# Altium PCB openmv-stm32n.PcbDoc (part 3 of 5)
Units mil, origin at the board's own origin, x right, y up, seen from the top; angles counter-clockwise.
Board outline 1400 x 1750 mil, 10 copper layers (Top Layer, L2, L3H, L5Z, L4, L6G, L7P, L8V, L9, Bottom Layer), stack 46.102 mil thick; 354 components, 264 nets, 1311 pads, 599 vias.
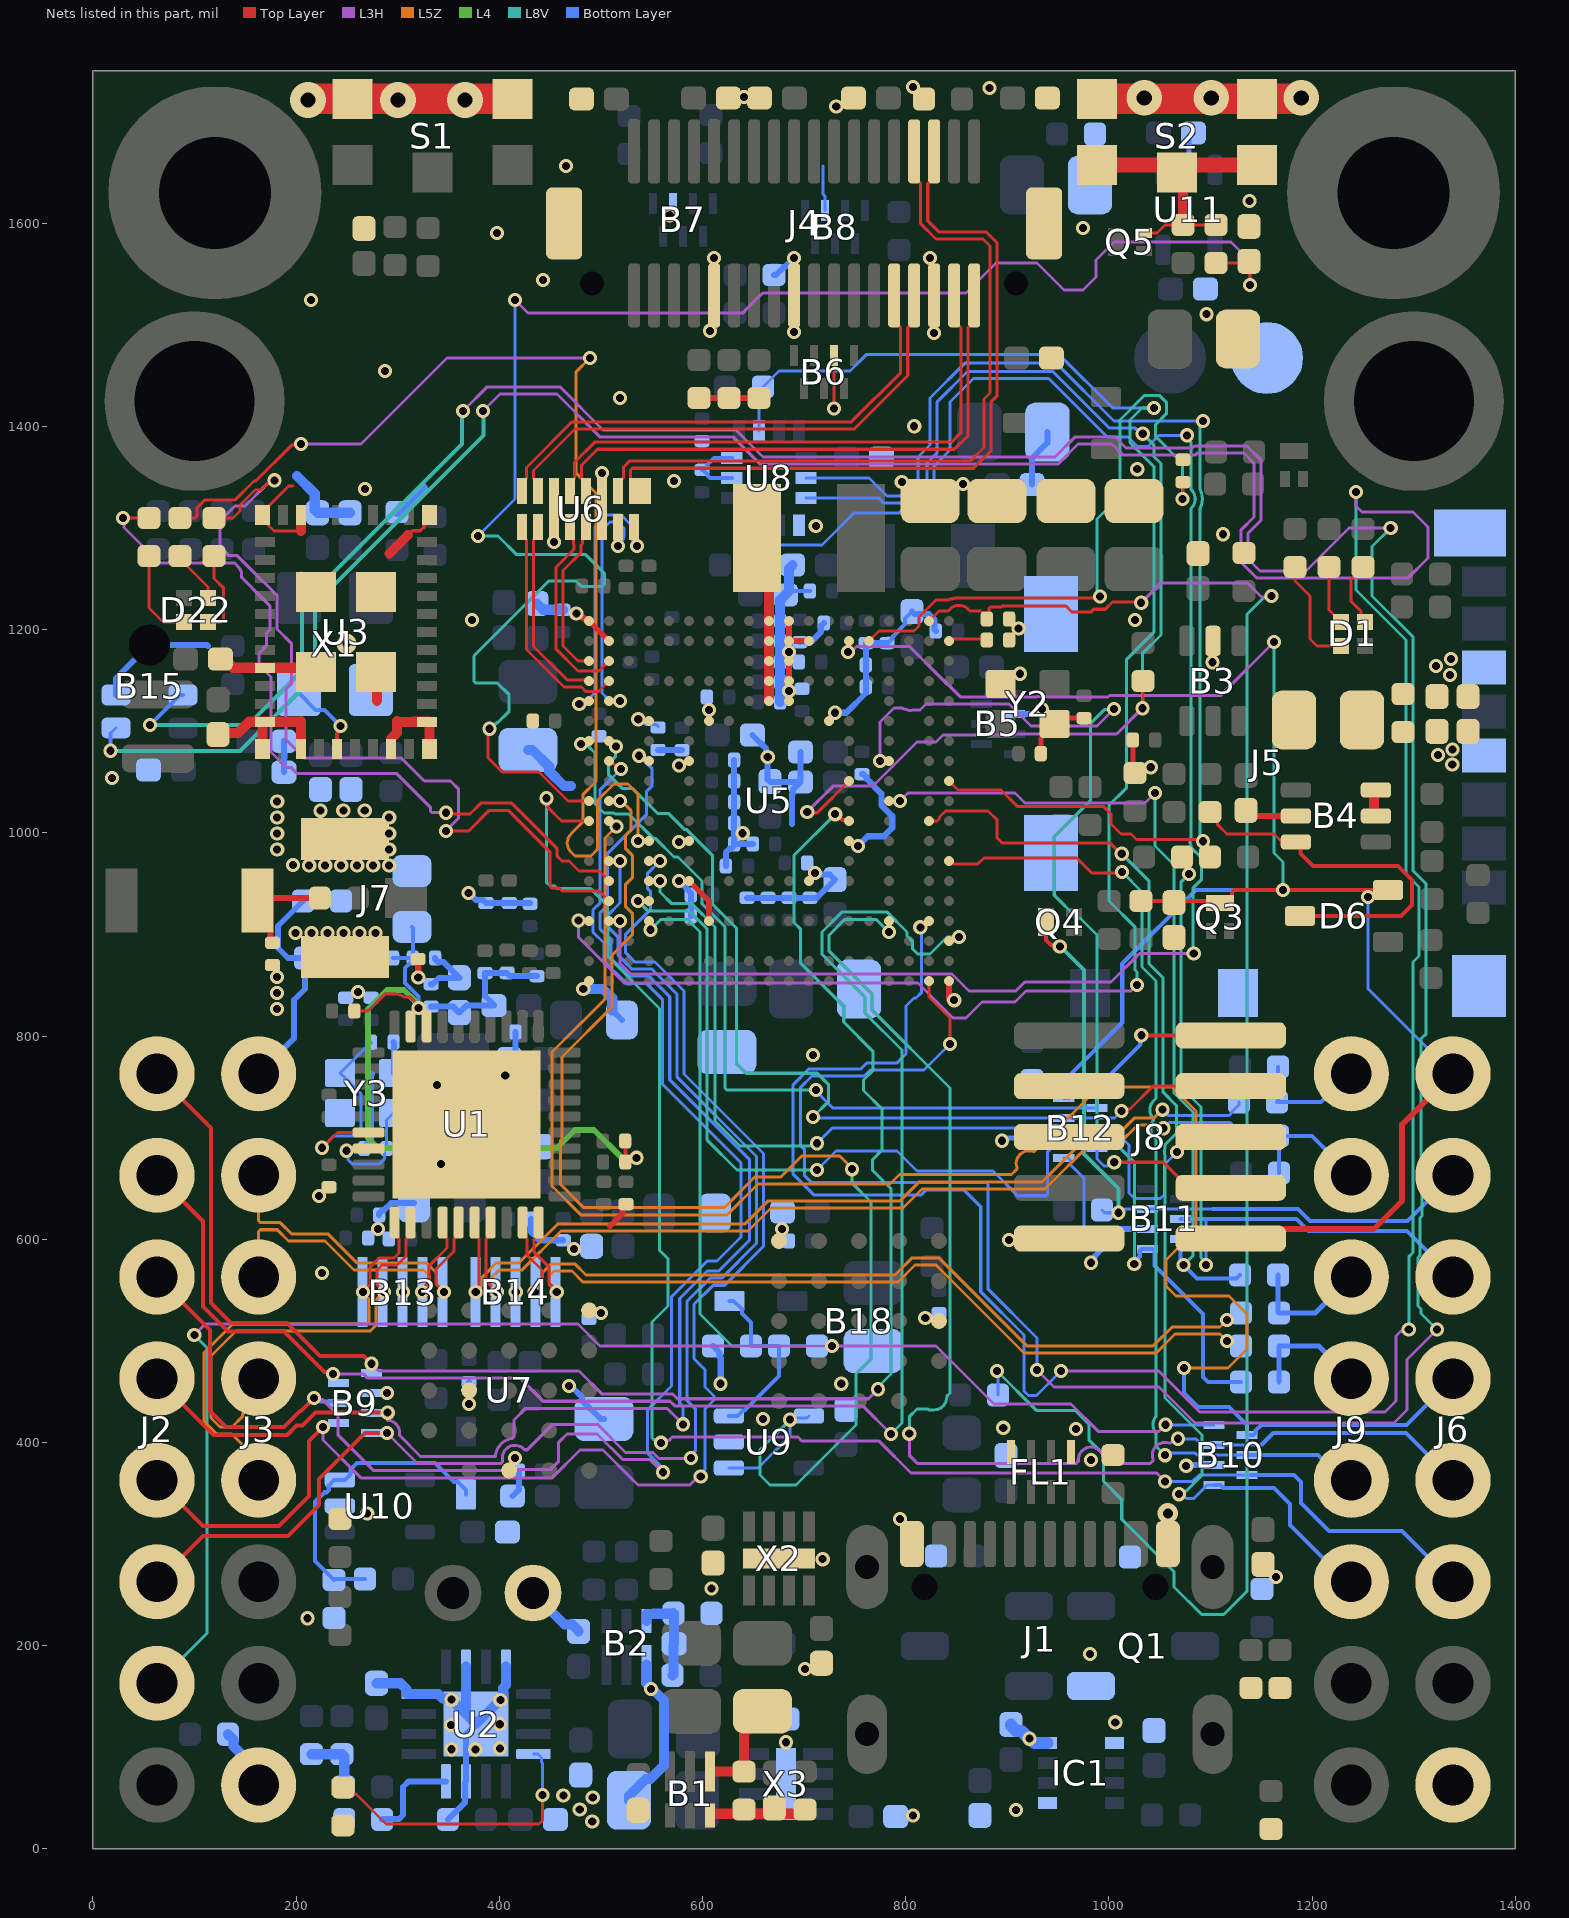
[diagram p11: the nets of this part, all layers, seen from the top]

## Via types
v1: diameter 14, hole 8, Top Layer to Bottom Layer, tented both sides, 586 vias
v2: diameter 35, hole 15, Top Layer to Bottom Layer, tented both sides, 6 vias
v3: diameter 25, hole 15, Top Layer to Bottom Layer, tented both sides, 5 vias
v4: diameter 20, hole 10, Top Layer to Bottom Layer, tented both sides, 1 vias
v5: diameter 20, hole 8, Top Layer to Bottom Layer, tented both sides, 1 vias

## Nets (pads, with @x,y where several pads share a name; then routed paths per layer and width w, separated by ;. In a path a pad name is that pad's centre, name@x,y a point inside that pad or via, vN(x,y) a via of type N, cw(c..) or ccw(c..) an arc to the next point about the centre after c; other vN are vias at no path point) (continued)
ETH_VDD33: C6.2 C54.1 C55.1 C56.1 L8.2 R50.1 R51.1 R52.1 R56.1 R57.1 R58.1 R59.1 U1.28 U1.29 | length 841.9
  Top Layer w3: R52.1@257.24,824.8 270.67,824.8 287.21,841.35 298.12,841.35 cw(c298.12,828.85) 305.98,838.57 312.23,838.57 320.53,830.26 v1(320.53,827.69)
  Top Layer w4: R51.1@523.8,696.85 523.97,696.68 R50.1@523.97,676.18
  L4 w6: v1(320.53,827.69) 320.53,829.85 316.9,833.48 316.9,834.68 306.1,845.47 289.37,845.47 270.67,826.77 270.67,699.8 280.51,689.96 456.69,689.96 474.41,707.68 493.11,707.68 520.51,680.27 v1(535.06,680.27)
  Bottom Layer w4: R56.1@295.45,876.97 C55.1@314.79,876.97 ; C54.1@313.98,907.48 314.79,906.67 C55.1@314.79,876.97 ; v1(320.53,827.69) 320.53,838.99 307.16,852.36 307.16,867.3 314.79,874.93 C55.1@314.79,876.97
  Bottom Layer w6: C56.1@332.76,829.13 354.65,829.13 C6.2@360.59,823.18 367.54,830.13 L8.2@394.64,830.13 394.64,830.73 385.83,839.54 R57.1@385.83,862.03 R58.1@407.48,862.03 410.43,859.08 R59.1@437.01,859.08
ETH_XTAL_I: C65.1 U1.36 Y3.3 | length 204.9
  Top Layer w3: v1(225.54,690.22) 240.57,705.25 U1.36@271.31,705.25
  Bottom Layer w3: v1(225.54,690.22) 237.09,701.77 256.17,701.77 263.92,709.53 263.92,742.71 256.21,750.42 256.21,750.73 243.25,763.68 Y3.3@242.95,763.68 ; Y3.3@243.28,763.68 267.74,788.15 268.43,788.15 273.74,793.46 C65.1@273.74,794.15
ETH_XTAL_O: C64.1 U1.37 Y3.1 | length 97.8
  Bottom Layer w3: v1(249.65,687.26) 251.05,685.86 251.05,678.39 255.33,674.1 281.51,674.1 286.84,679.43 286.84,687.42 C64.1@288.9,689.48 288.9,717.42 Y3.1@295.79,724.32
FB_1V8: B2.3 C30.1 R17.1 R18.2 | length 95.5
  Bottom Layer w10: B2.3@544.81,224.59 544.81,231.32 544.89,231.4 551.62,231.4 551.71,231.49 570.92,231.49 R18.2@571.43,232 571.71,231.71 571.71,202.29 C30.1@572,202 571.21,201.21 571.21,171.79 R17.1@570.43,171
FB_3V3: B1.3 C22.1 R13.1 R15.2 | length 96.4
  Top Layer w10: B1.3@607.43,32.9 607.43,34.62 607.51,34.7 R13.1@702.12,34.7
FEED: ANT1.1 C78.1 L7.1 | length 110.1
  Top Layer w6: C78.1@176.76,891.95 174.64,894.07 174.64,920.62 ANT1.1@161.9,933.37 164.53,936 L7.1@223.3,936
GND: B1.4 B2.4 B3.2 B4.2 B5.2 B6.2 B7.2 B8.2 B9.2 B10.2 B11.2 B12.2 B13.3 B13.8 B14.3 B14.8 B15.2 B15.3 B18.C1 B18.E5 C1.2 C2.1 C3.1 C4.1 C5.1 C6.1 C7.1 C8.1 C9.1 C10.1 C11.1 C12.2 C13.2 C14.2 C15.2 C16.2 C17.2 C18.2 C19.2 C20.2 C21.2 C23.2 C24.2 C25.1 C27.1 C28.1 C29.2 C31.2 C32.2 C33.1 C35.1 C36.2 C37.2 C38.1 C39.1 C40.1 C41.1 C42.1 C43.2 C44.1 C45.2 C46.1 C47.1 C48.2 C49.2 C50.2 C51.1 C52.2 C53.2 C54.2 C55.2 C56.2 C57.2 C58.2 C59.2 C60.2 C61.2 C62.2 C63.2 C64.2 C65.2 C66.1 C67.1 C68.1 C69.2 C70.1 C71.2 C72.1 C73.2 C74.2 C75.2 C76.2 C77.2 C78.2 C79.2 C80.2 C81.2 C82.1 C83.2 C84.1 C85.1 C86.2 C87.1 C88.2 C89.2 C90.1 C91.1 C92.1 C93.1 C94.2 C95.1 C96.1 C97.2 C100.2 C101.2 C102.2 C103.2 C104.2 C105.2 C106.2 C107.1 C108.1 C109.1 C110.2 C111.1 C112.1 C113.1 C114.1 C115.1 C116.2 C118.2 C119.2 C120.2 C121.2 C122.2 C123.2 C124.2 C125.2 C126.2 C127.2 C128.2 C129.2 C130.1 C132.2 C134.2 C136.2 C137.1 C138.1 C140.2 C142.1 C143.2 C144.2 C146.1 C147.1 C148.2 C149.1 CN1.2 D2.2 D4.2 D5.2 D7.2 D8.2 D10.2 D12.2 D13.2 D14.2 D15.2 D16.2 D17.2 D18.2 D19.2 D20.2 D21.2 FL1.5 FL1.8 IC1.1 IC1.4 IC1.5 J1.A1_B12 J1.B1_A12 J3.1 J4.5 J4.19 J4.27 J4.M J5.CD$2 J5.P$6 J5.SH J6.1 J7.2 J7.3 J8.3 J8.5 Q1.G R6.2 R7.2 R9.2 R10.2 R11.2 R12.2 R15.1 R18.1 R23.2 R27.2 R41.2 R82.2 R83.2 R84.2 R85.2 R86.2 R87.2 R104.2 R105.2 R106.2 R107.2 R110.2 R111.2 R112.2 S1.1 S1.5 S2.1 S2.5 TP2.1 U1.41 U2.4 U2.6 U2.8 U2.15 U2.17 U3.1 U3.12 U3.19 U3.21 U3.29 U3.32 U3.33 U3.35 U3.40 U3.42 U3.43 U3.44 U3.45 U3.46 U5.A19 U5.F12 U5.G6 U5.H2 U5.H14 U5.J1 U5.J2 U5.J3 U5.J4 U5.J5 U5.N6 U5.N16 U5.P8 U5.P12 U5.P14 U5.V2 U5.W1 U5.W19 U6.3_14 U6.6_11 U7.B3 U7.C1 U7.E5 U8.1 U8.6 U8.7 U9.2 U10.2 U11.2 X1.2 X2.9 X3.9 Y2.2 Y2.4 Y3.2 Y3.4 | length 4560.4
  Top Layer w3: 196.92,1341.72 193.01,1341.72 172.79,1321.51 172.69,1321.51 166.81,1315.62 U3.21@166.81,1313.16 172.69,1307.28 172.69,1302.7 178.15,1297.24 204.71,1297.24 ; 310.04,1293.31 314.23,1297.5 322.11,1297.5 325.81,1301.2 ; v1(729.33,1417.69) B6.2@729.33,1470.08
  Top Layer w4: 325.81,1301.2 325.81,1307.78 U3.12@331.19,1313.16
  Top Layer w5: C106.2@932.91,1078.07 932.91,1093.07 934.48,1094.64 934.48,1096.02 945.74,1107.28 Y2.4@946.59,1107.28 952.32,1113.02 C105.2@975.39,1113.02 ; C126.2@1023.45,1091.54 1023.45,1061.2 D12.2@1025.59,1059.06
  Top Layer w6: C77.2@319.96,875.97 320.16,875.77 v1(320.16,857.75) ; v1(475.76,1216.08) 477.92,1216.08 481.92,1212.08 482.1,1212.08 483.59,1210.58 485.23,1210.58 487.15,1208.66 U5.W1@488.19,1208.66 U5.V2@507.87,1188.98 ; 508.86,613.19 521.24,625.57 521.24,631.67 524.24,634.67 C12.2@524.61,634.67 ; U5.P14@586.61,952.76 606.3,933.07 U5.N16@606.3,913.39 ; D18.2@596.46,1428.15 D17.2@625.99,1428.15 D16.2@655.52,1428.15 ; U5.J4@685.04,1149.61 U5.J3@685.04,1169.29 ; U5.J1@685.04,1208.66 U5.J2@685.04,1188.98 U5.H2@704.72,1188.98 ; U5.A19@842.52,854.33 842.52,835.47 v1(847.63,835.47) ; C48.2@1134.84,1022.24 1140.35,1016.73 B4.2@1184.05,1016.73 B4.2@1186.02,1016.73
  Top Layer w10: C74.2@123,1096.87 124.69,1098.57 142.86,1098.57 153.71,1109.42 U3.32@166.89,1109.42 ; C91.1@125.13,1174 126.62,1174 138.05,1162.57 U3.29@169.28,1162.57 215.53,1162.57 U3.45@219.47,1158.63 U3.45@204.71,1143.87 ; U3.33@166.81,1082.84 166.81,1109.34 U3.32@166.89,1109.42 ; U3.35@204.71,1082.84 204.71,1110.1 204.03,1109.42 U3.32@169.28,1109.42 U3.32@166.89,1109.42 ; U3.46@204.71,1252.13 U3.46@219.47,1237.37 ; 204.71,1297.24 U3.19@204.71,1313.16 ; U3.43@278.53,1158.63 279.65,1157.51 279.65,1129.8 ; 291.82,1275.09 310.04,1293.31 ; U3.40@293.29,1082.84 293.29,1092.61 299.21,1098.54 299.21,1110.24 300.24,1109.21 314.76,1109.21 314.97,1109.42 U3.1@328.72,1109.42 331.11,1109.42 331.19,1109.34 U3.42@331.19,1082.84 ; B1.4@607.43,76.21 R15.1@640.75,76.2 C21.2@640.75,114.05 ; C21.2@640.75,119.05 C21.2@640.75,114.05 ; C21.2@659,130.54 657.23,130.54 C21.2@640.75,114.05
  Top Layer w30: v2(211.61,1721.46) 212.97,1721.46 213.99,1722.48 S1.5@255.18,1722.48 S1.1@412.66,1722.48 ; S2.5@988.26,1722.48 S2.1@1145.74,1722.48 1186.93,1722.48 1187.95,1723.5 v2(1189.31,1723.5)
  Bottom Layer w3: 718.5,1656.5 718.5,1628.69 720.47,1626.72 B8.2@720.47,1612.8
  Bottom Layer w4: C45.2@599.41,1357.46 C45.2@600.37,1357.46 ; U8.6@628.85,1349.41 607.46,1349.41 604.29,1352.57 604.29,1353.53 C45.2@600.37,1357.46 ; U8.7@628.85,1369.09 611.05,1369.09 604.29,1362.34 604.29,1361.38 C45.2@600.37,1357.46 ; C109.1@685.04,1237.8 685.43,1238.19 C118.2@705.54,1238.19 ; C79.2@781.5,1186.83 782.45,1186.83 786.38,1190.76 786.38,1191.89 787.69,1193.2 787.69,1194.07 799.12,1205.5 799.12,1210.93 C94.2@806.1,1217.91
  Bottom Layer w5: v1(894.79,697.15) 897.22,697.15 899.88,699.8 B12.2@955.51,699.8 ; U11.2@1078.74,1652.56 1078.74,1684.65 C51.1@1083.07,1688.98
  Bottom Layer w6: B15.2@22.64,1135.83 22.64,1152.13 B15.3@55.63,1185.12 112.13,1185.12 113.19,1184.06 ; C75.2@187.81,1090.31 187.94,1090.17 C92.1@187.94,1059.83 ; C64.2@266.9,689.48 266.9,690.98 269.9,693.98 270.11,693.98 273.62,697.49 273.62,762.12 274.35,762.85 ; C50.2@281.67,624.02 281.67,625.52 284.67,628.52 286.17,628.52 293.48,635.83 C57.2@315.94,635.83 ; C65.2@295.74,794.15 296.1,793.79 Y3.4@296.1,763.68 ; C56.2@332.76,851.13 334.26,851.13 340.57,857.43 C6.1@360.59,857.43 345.16,872.87 339.79,872.87 336.79,875.87 C55.2@336.79,876.97 ; R11.2@349.3,29 365.97,45.67 365.97,65.31 U2.15@367.16,66.5 367.16,113.16 U2.17@377,123 ; v1(369.63,940.85) 370.28,940.85 377.15,933.98 383.91,933.98 R86.2@386.76,931.13 R87.2@409.76,931.13 R85.2@430.12,931.13 ; v1(370.08,437.99) C17.2@370.08,459.47 ; C11.1@409.64,778.13 415.76,784.25 C62.2@415.76,804.13 ; C66.1@412.99,347.44 419.12,353.57 C18.2@419.12,372.05 ; C60.2@431.28,620.08 431.28,607.11 437.03,601.36 439.26,599.13 C53.2@462.76,599.13 ; v1(468.5,455.71) 470.47,455.71 481.23,444.95 481.23,441.56 499.56,423.23 C67.1@502.95,423.23 ; C61.2@511.14,825.47 C61.2@520.67,815.94 ; R107.2@556.21,1081.79 556.49,1081.52 C134.2@579.72,1081.52 ; v1(576.77,952.76) 588.41,941.12 C125.2@588.41,938.98 C124.2@588.41,918.31 ; R110.2@610.24,495.08 616.51,488.81 616.51,484.5 617.86,483.15 617.86,458.12 v1(617.67,457.93) ; C71.2@622.86,967.52 622.86,980.95 626.58,984.67 628.08,984.67 631.08,987.67 C90.1@631.08,989.17 ; C84.1@631.08,1071.85 C90.1@631.08,989.17 ; C122.2@643.7,936.2 C123.2@664.37,936.2 C121.2@685.04,936.2 C119.2@705.71,936.2 712.38,936.2 C144.2@730.32,954.13 725.32,959.12 712.12,959.12 v1(710.59,960.66) ; C95.1@649.02,1096.46 662.55,1082.92 662.55,1076.37 v1(664.08,1074.84) 664.08,1052.85 C73.2@666.34,1050.59 666.73,1050.2 C140.2@696.46,1050.2 ; C83.2@649.43,989.17 C90.1@631.08,989.17 ; R27.2@670.28,1549.21 672.23,1549.21 680.06,1557.04 681.06,1557.04 v1(689.96,1565.94) ; 688,1008.78 688,1038.26 688.87,1039.14 688.87,1042.61 C140.2@696.46,1050.2 ; C130.1@695.87,1187.82 696.77,1188.73 707.43,1188.73 716.32,1197.61 716.32,1203.69 C86.2@719.32,1206.69 ; C143.2@696.46,1079.72 C140.2@696.46,1050.2 ; v1(730.33,1118.34) 741.38,1118.34 760.83,1137.8 C80.2@760.83,1186.83 C79.2@781.5,1186.83 ; v1(752.95,987.2) 762.57,996.83 778.44,996.83 786.64,1005.03 786.64,1016.63 776.01,1027.25 776.01,1038.78 761.39,1053.4 761.39,1054.9 758.39,1057.9 C127.2@756.89,1057.9 ; C94.2@806.1,1217.91 808.46,1215.55 822.83,1215.55 828.32,1210.06 828.32,1200.05 C149.1@829.55,1198.82 ; B5.2@907.09,1117.13 926.65,1117.13 929.87,1120.35 932.63,1120.35 v1(934.17,1121.88) ; C138.1@924.22,1342.92 924.22,1368.74 939.38,1383.9 C107.1@939.38,1394.69 ; v1(982.24,576.99) 982.24,579.16 986.21,583.13 986.21,583.65 1012.8,610.24 B11.2@1037.8,610.24 ; v1(1075.98,377.14) 1076.79,377.95 B10.2@1103.23,377.95
  Bottom Layer w10: D4.2@132.72,113 138.22,107.49 138.22,101.18 163,76.4 J3.1@163,63 ; 200.79,1351.38 218.24,1333.92 218.24,1317.88 C113.1@221,1315.13 C24.2@253,1315.13 ; D5.2@215,93.3 D2.2@245,93.3 247.3,90.99 R9.2@247.3,61 ; C8.1@279,163.13 302.71,163.13 308.57,157.27 308.57,152.65 308.69,152.53 U2.4@320.5,152.53 320.62,152.41 339.76,152.41 344,148.18 351.82,148.18 v1(353,147) U2.17@367.16,132.84 ; R104.2@299.21,1315.94 304.72,1321.45 306.69,1321.45 324.8,1339.57 ; U2.6@367.16,179.5 U2.17@367.16,132.84 ; U2.8@406.53,179.5 406.41,179.38 406.41,161.26 403.47,158.32 403.47,149.47 U2.17@377,123 U2.17@367.16,132.84 ; C108.1@428.15,1081.69 432.62,1081.69 449.1,1065.21 449.1,1060.74 463.58,1046.26 470.47,1046.26 ; CN1.2@433.07,251.97 464.09,220.95 471.65,220.95 478,214.6 C10.1@478,214.13 ; C128.2@437.01,1225.79 443.13,1219.66 C129.2@462.6,1219.66 ; v1(482.54,846.38) 502.04,846.38 511.14,837.28 C61.2@511.14,825.47 ; C29.2@527.54,48 527.54,52.47 544.02,68.95 548.49,68.95 562,82.46 562,146.21 552.68,155.54 552.29,155.54 550.29,157.54 v1(549.21,157.54) 549.21,158.62 544.81,163.02 B2.4@544.81,181.28 ; C103.2@676.35,1128.94 C102.2@676.35,1148.62 C101.2@676.35,1168.31 C100.2@676.35,1188.98 C104.2@676.35,1208.66 676.35,1229.11 C109.1@681.5,1234.25 685.04,1237.8 685.04,1260.24 C120.2@688.58,1263.78
  Bottom Layer w12: C3.1@903.54,122.44 903.54,121.46 908.96,116.04 913.87,116.04 921.34,108.57 v1(921.88,108.57) 922.42,108.57 926.66,104.33 IC1.4@939.45,104.33
  other v1: 491.35,27.13 807.2,32.87 908.56,38.45 479.1,38.98 491.84,50.65 462.94,52.53 352.79,98.2 376.32,98.1 400.64,99.05 682,105 352.51,121.91 400.36,122.81 1006.18,124.67 400.93,146.57 700.79,177.17 981.44,191.96 211.19,227.09 608.81,256.48 1164.37,267.72 718.16,285.26 794.29,324.8 269.86,330.14 982.22,382.99 415.35,384.84 967.62,413.28 895.94,414.54 659.45,423.15 289.37,448.82 736.5,457.89 819.19,522.64 500,527.56 305.12,548.23 416.12,548.23 225.39,566.93 473.43,590.55 280.51,610.24 678.15,610.24 222.44,642.72 342.51,674.03 338.76,752.13 405.76,761.13 708.66,781.5 181.1,826.77 181.1,842.52 260.83,843.5 181.1,858.27 199.25,901.61 215,901.61 230.75,901.61 246.49,901.61 262.24,901.61 277.99,901.61 196.85,968.5 212.77,967.91 228.52,967.91 244.26,967.91 260.01,967.91 275.76,967.91 291.51,967.91 181.27,983.66 291.51,983.66 576.77,991.14 181.27,999.41 291.51,999.41 639.44,999.73 181.27,1015.16 291.51,1015.16 224,1022 246.42,1022.06 267.43,1022.11 181.27,1030.91 18.7,1054.13 1041.05,1064.76 576.87,1066.54 606.3,1121.06 685.04,1139.76 1335.63,1155.51 912.48,1156.79 1321.85,1164.37 1101.94,1168.08 1336.61,1171.26 685.04,1178.15 911.08,1201.3 373.03,1209.65 1025.59,1209.65 453.74,1286.42 1112.26,1294.05 711.49,1302.21 267.72,1338.58 856.3,1343.5 796.12,1345.47 571.85,1346.46 500.98,1354.33 1027.84,1358.1 808.22,1400.33 518.7,1428.15 287.4,1454.72 827.76,1492.13 689.96,1493.11 607.38,1494.26 1095.9,1510.68 214.57,1524.61 442.91,1544.29 611.22,1565.94 823.82,1565.94 397.64,1590.55 974.41,1595.47 567.63,1608.11 1138.34,1622.09 465.55,1656.5 731.57,1714.97 640.75,1724.41 882.31,1733.36 807.09,1734.25
  other v2: 300.2,1721.46 366.14,1721.46 1034.78,1723.5 1100.72,1723.5
  other v4: 1057.97,330.32
  other v5: 249.6,1186.32
ILIM: R10.1 U2.12 | length 284.4
  Top Layer w3: R10.1@246,60.7 252.54,54.16 258.83,54.16 288.39,24.61 438.98,24.61 442.45,28.08 v1(442.45,53.07)
  Bottom Layer w3: U2.12@433.5,93.47 437.74,93.47 441.36,89.85 441.36,85.61 442.45,84.52 v1(442.45,53.07)
INT_I2C_INT: R20.2 U5.V16 U8.4 | length 1774
  L3H w3: v1(518.7,913.39) 518.7,872.05 529.53,861.22 845.47,861.22 862.2,844.49 908.35,844.49 917.21,853.35 1001.97,853.35 1029.9,881.28 v1(1083.48,881.28)
  L8V w3: v1(1076.79,1391.41) 1076.79,1388.43 1080.63,1384.59 1080.63,1338.25 1080.99,1337.9 cw(c1072.4,1328.81) 1080.99,1319.73 1080.63,1319.38 1080.63,995.91 ccw(c1092.45,991.84) 1079.99,992.8 cw(c1077,993.06) 1079.9,992.3 ccw(c1082.36,991.62) 1079.81,991.62 ccw(c1092.31,991.62) 1085.4,981.21 1091.24,975.37 1091.24,954.47 1082.85,946.08 1082.85,881.9 v1(1083.48,881.28)
  Bottom Layer w3: U8.4@635.83,1302.91 635.83,1282.48 R20.2@654.53,1263.78 674.21,1283.46 717.52,1283.46 749.02,1314.96 793.41,1314.96 796.14,1317.69 807.96,1317.69 827.89,1337.62 827.89,1361.3 843.5,1376.91 843.5,1424.21 866.59,1447.3 940.6,1447.3 998.15,1389.75 1018.73,1389.75 1028.01,1380.48 1038.36,1380.48 1049.29,1391.41 v1(1076.79,1391.41)
INT_I2C_INT_2: R19.2 U5.W16 U8.9 | length 1701.7
  L3H w3: v1(477.78,913.91) 477.78,897.27 522.58,852.47 810.97,852.47 811.08,852.36 812.01,852.36 846.46,817.91 859.25,817.91 875,833.66 907.42,833.66 918.25,844.49 1021.65,844.49 v1(1027.56,850.39)
  L8V w3: v1(1027.56,850.39) 1027.56,863.13 1025.48,865.21 1025.48,907.59 1000,933.07 1000,1027.24 1017.42,1044.66 1017.42,1170.96 1044.18,1197.72 1044.18,1360.73 1020.67,1384.24 1020.67,1406.5 1032.4,1418.23 v1(1044.32,1418.23)
  Bottom Layer w3: U8.9@655.51,1395.91 655.51,1435.04 R19.2@659.45,1438.98 675.2,1454.72 745.08,1454.72 761.53,1471.18 950.61,1471.18 1003.56,1418.23 v1(1044.32,1418.23)
INT_I2C_SCL: R22.1 U5.A9 U8.13 | length 1235.4
  Top Layer w3: U5.A9@842.52,1051.18 851.38,1042.32 893.7,1042.32 909.81,1026.21 994.46,1026.21 1001.97,1018.7 1001.97,1008.86 1011.81,999.02 1021.71,999.02 1027.12,993.61 1090.68,993.61 1094.03,990.26 1094.03,981.76 R22.1@1099.41,976.38
  L8V w3: v1(1092.45,991.84) 1089.44,994.85 1089.44,1319.33 ccw(c1072.4,1328.81) 1089.44,1338.3 1089.44,1402.43 v1(1092.49,1405.48)
  Bottom Layer w3: U8.13@701.85,1349.41 763.78,1349.41 781.5,1331.69 802.17,1331.69 812.01,1341.54 812.01,1370.08 823.82,1381.89 823.82,1428.15 858.41,1462.74 947.71,1462.74 1004.93,1405.51 1026.63,1405.51 v1(1092.49,1405.48)
INT_I2C_SDA: R21.1 U5.F9 U8.14 | length 1195.2
  Top Layer w3: v1(703.07,1020.77) 703.94,1019.9 712.81,1019.9 U5.F9@744.09,1051.18 ; v1(1032.88,1122.72) 1033.46,1123.3 R21.1@1033.46,1149.61
  L3H w3: v1(703.07,1020.77) 728.56,1046.26 767.72,1046.26 811.02,1089.57 829.83,1089.57 836.72,1096.46 894.68,1096.46 895.67,1097.44 1007.61,1097.44 v1(1032.88,1122.72)
  L8V w3: v1(1032.88,1122.72) 1032.88,1176.53 1051.18,1194.82 1051.18,1363.63 1044.18,1370.63 1044.18,1381.98 v1(1033.18,1392.98)
  Bottom Layer w3: U8.14@701.85,1329.72 773.57,1329.72 778.6,1324.69 805.06,1324.69 820.89,1340.52 820.89,1364.2 830.82,1374.13 830.82,1424.32 860.79,1454.3 944.65,1454.3 1000.44,1398.51 1023.73,1398.51 1025.93,1398.48 1031.07,1393.33 v1@1033.94,1393.33
ISET: R12.1 U2.16 | length 94.4
  Bottom Layer w6: R12.1@284.7,29 285.06,29.36 301.01,29.36 305.12,33.46 305.12,61.02 310.59,66.5 U2.16@347.47,66.5
JTAG_TCK: B12.3 J8.4 U5.V7 | length 952.8
  Top Layer w3: U5.V7@507.87,1090.55 508.68,1090.55 514.07,1085.16 v1(514.88,1085.16) ; v1(1012.4,726.38) 1014.38,728.36 1020.68,728.36 1043.11,750.79 J8.4@1119.88,750.79
  L8V w3: v1(514.88,1085.16) 514.44,1084.72 514.44,1075.42 507.18,1068.17 507.18,1057.81 521,1044 530.85,1044 555.53,1019.31 566.28,1019.31 581.95,1003.64 583.92,1003.64 609.94,977.62 609.94,929.62 633.17,906.39 633.17,773.16 642.8,763.53 712.81,763.53 724.11,752.22 724.11,735.93 v1(708.66,720.47)
  Bottom Layer w3: v1@707.68,719.49 B12.3@955.51,719.49 1005.51,719.49 v1(1012.4,726.38)
JTAG_TDI: B12.7 J8.8 U5.T15 | length 910.3
  Top Layer w3: v1(1005.14,675.93) 1053.4,675.93 1078.54,650.79 J8.8@1119.88,650.79
  L8V w3: v1(536.42,933.07) 546.06,923.43 586.43,923.43 604.44,905.42 604.44,697.72 633.86,668.31 v1(712.6,668.31)
  Bottom Layer w3: v1(712.6,668.31) 731.3,687.01 791.34,687.01 811.02,667.32 885.83,667.32 910.2,642.95 937.82,642.95 939.58,644.7 939.58,686.33 942.8,689.56 949.4,689.56 949.8,689.96 B12.7@988.19,689.96 988.19,679.13 995.08,672.24 998.48,672.24 1002.17,675.93 v1(1005.14,675.93)
JTAG_TDO: B12.6 J8.6 U5.T14 | length 835.2
  L8V w3: v1(558.07,952.76) 558.07,941.89 569.53,930.43 589.33,930.43 612.2,907.56 612.2,716.54 636.81,691.93 705.34,691.93 705.89,692.48 710.49,692.48 v1(712.6,694.59)
  Bottom Layer w3: v1(712.6,694.59) 727.66,709.65 B12.6@988.19,709.65 1002.95,709.65 1019.68,692.91 1019.68,645.57 1025.08,640.17 1050.51,640.17 1054.54,644.2 1054.54,673.63 v1(1066.93,686.02)
JTAG_TMS: B12.5 J8.2 U5.W7 | length 978.8
  Top Layer w3: v1(480.32,1087.6) 483.29,1087.6 485.4,1089.7 487.34,1089.7 U5.W7@488.19,1090.55
  Top Layer w4: v1(1031.85,800.95) 1032.01,800.79 J8.2@1119.88,800.79
  L8V w3: v1(480.32,1087.6) 482.42,1085.49 487.34,1085.49 494.09,1078.74 494.09,1028.54 502.95,1019.68 512.83,1019.68 513.76,1018.76 527.46,1018.76 551.91,994.31 553.88,994.31 571.81,976.38 575.83,976.38 599.41,952.79 599.41,930.25 622.05,907.61 622.05,748.8 623.8,747.05 v1(711.61,747.05)
  Bottom Layer w3: v1@711.28,746.09 728.04,729.33 B12.5@988.19,729.33
  Bottom Layer w4: B12.5@988.19,729.33 988.19,749.02 1030.79,791.62 1030.79,799.9 v1(1031.85,800.95)
JTAG_TRSTB: B12.1 J8.9 | length 160.6
  Bottom Layer w3: v1(901.57,599.41) 967.52,599.41 975.39,607.28 975.39,660.24 962.19,673.44 962.19,677.68 959.75,680.12 B12.1@955.51,680.12
LED_B: R96.1 U5.V14 | length 768.2
  Top Layer w3: v1(29.53,1310.04) R96.1@55.12,1310.04 ; v1(347.44,1019.97) 348.71,1018.7 371.01,1018.7 381.61,1029.3 412.06,1029.3 456.91,984.45 456.91,977.14 461.61,972.44 468.5,972.44 478.35,962.6 498.03,962.6 U5.V14@507.87,952.76
  L3H w3: v1(29.53,1310.04) 30.47,1309.1 30.47,1300.71 65.26,1265.92 139.08,1265.92 141.18,1263.82 ; 141.18,1263.83 cw(c139.06,1261.7) 141.22,1263.78 ; v1(347.44,1019.97) 333.78,1019.97 332.02,1021.73 332.02,1025.43 299.05,1058.4 201.16,1058.4 195.23,1064.33 190.59,1064.33 175.2,1079.72 175.2,1153.6 163.5,1165.3 163.5,1177.16 170.57,1184.24 170.57,1196.27 174.03,1199.73 174.03,1223.63 166.1,1231.56 147.26,1250.4 146.4,1251.25 ccw(c128.66,1251.25) 146.38,1252.22 146.38,1252.52 146.38,1252.61 ccw(c133.9,1253.42) 142.13,1262.83 cw(c144.13,1265.07) 141.91,1263.05 ccw(c128.66,1251.25) 141.22,1263.78
LED_B_INT: D22.1 R96.2 | length 91.3
  Top Layer w3: R96.2@55.12,1272.64 55.12,1221.46 68.9,1207.68 D22.1@89.57,1207.68
LED_CHG: D1.3 R1.2 | length 110.3
  Top Layer w3: R1.2@1183.07,1261.81 1183.07,1248.03 1197.83,1233.27 1197.83,1190.94 1204.72,1184.06 D1.3@1228.35,1184.06
LED_G: R97.1 U5.V15 | length 862.4
  Top Layer w3: R97.1@119.09,1310.04 137.8,1310.04 144.68,1316.93 144.68,1322.83 159.45,1337.6 165.35,1337.6 171.63,1343.88 172.44,1343.88 175.68,1347.11 v1(178.65,1347.11) ; v1(347.44,1001.97) 369.8,1001.97 390.14,1022.3 408.7,1022.3 449.91,981.08 449.91,947.44 451.67,945.68 459.1,945.68 461.87,942.91 498.03,942.91 U5.V15@507.87,933.07
  L3H w3: v1(178.65,1347.11) 175.68,1347.11 172.44,1343.88 171.63,1343.88 149.6,1321.85 139.76,1321.85 125,1307.09 125,1281.5 133.57,1272.92 141.98,1272.92 181.03,1233.88 181.03,1200.82 195.57,1186.28 195.57,1147.51 190.07,1142.01 190.07,1091.48 207.75,1073.8 303.45,1073.8 326.07,1051.18 351.91,1051.18 359.94,1043.15 359.94,1014.79 347.44,1002.29 v1(347.44,1001.97)
LED_G_INT: D22.2 R97.2 | length 82.8
  Top Layer w3: D22.2@113.19,1207.68 125.99,1207.68 128.68,1210.37 128.68,1240.97 119.09,1250.56 R97.2@119.09,1272.64